# KiCad board SHEGO75-V3.kicad_pcb (continued)
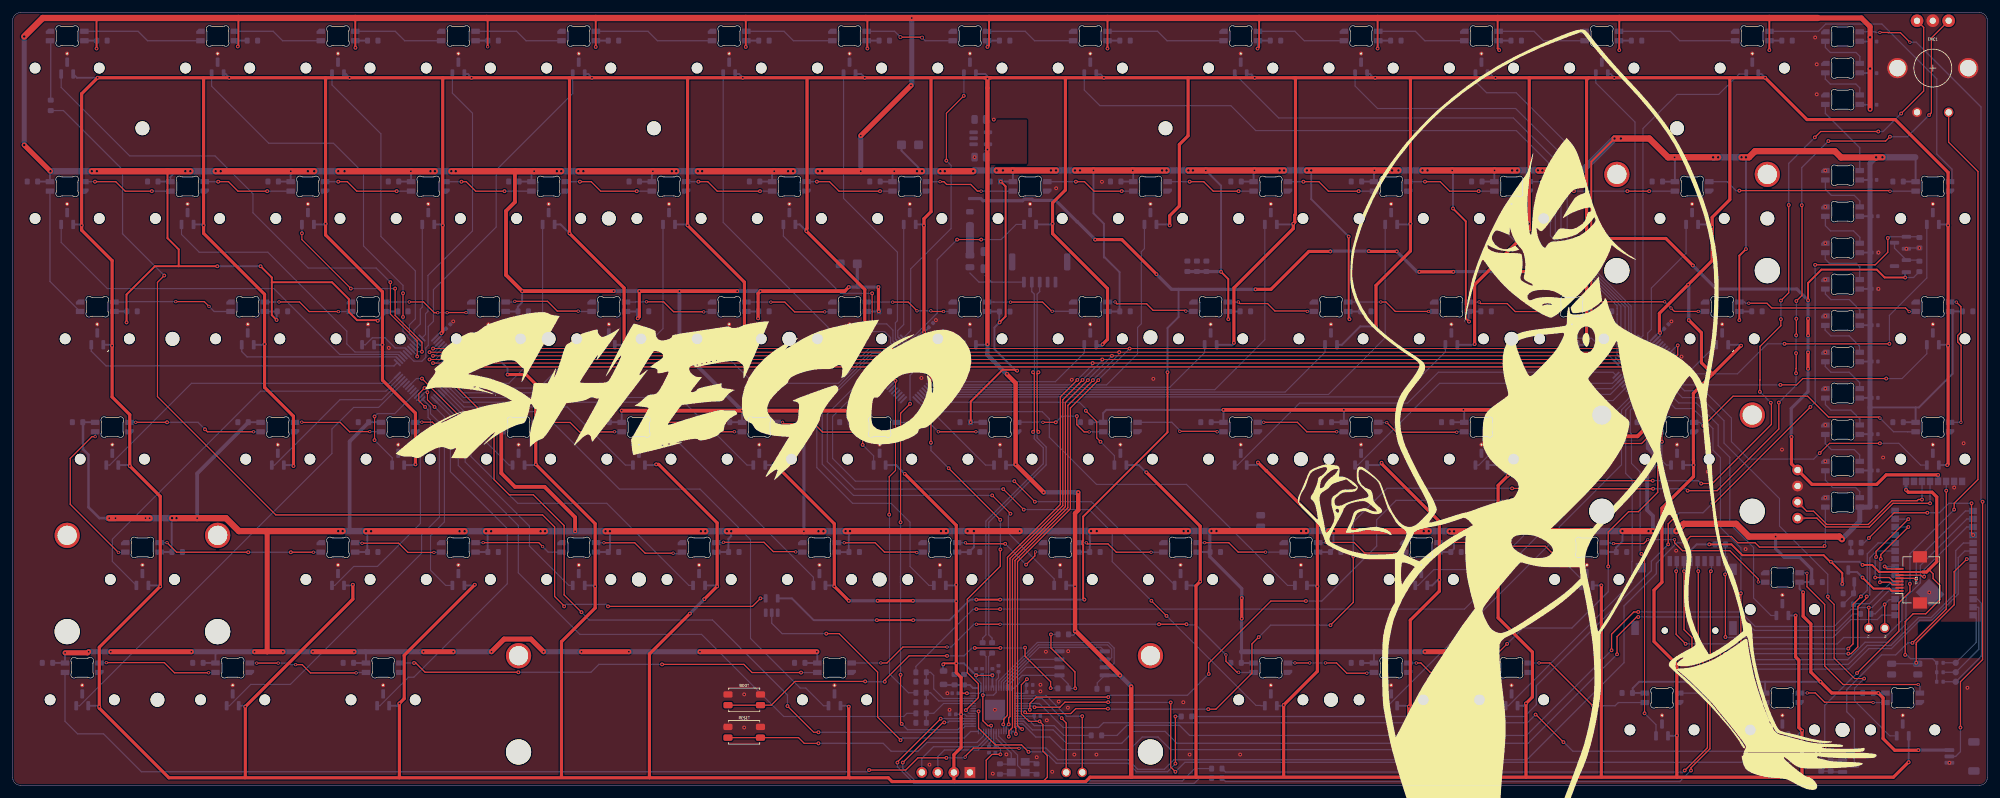
[diagram p0: board, top side]
## Library data of the parts (continued)
U4 = -: Datasheet: https://datasheets.raspberrypi.com/rp2040/rp2040-datasheet.pdf; Description: A microcontroller by Raspberry Pi; ki_fp_filters: QFN*1EP*7x7mm?P0.4mm*
U5 = -: ki_fp_filters: TinyPICO_Nano_Connector
UART1 UART2 = -: Description: Generic connector, single row, 01x02, script generated (kicad-library-utils/schlib/autogen/connector/); ki_fp_filters: Connector*:*_1x??_*
Y1 = -: Description: Four pin crystal, GND on pins 2 and 4; LCSC: C9002; ki_fp_filters: Crystal*

## Footprints (pads in the part's own frame, mm; a bottom-side part is the same pattern mirrored in y, then rotated)
C_0402
  rrect 0.56x0.62 smd: 1(-0.48,0) 2(0.48,0)
C_0603
  rrect 0.8x0.95 smd: 1(-0.825,0) 2(0.825,0)
C_0805
  rrect 1.025x1.4 smd: 1(-0.912,0) 2(0.912,0)
CP_EIA-3216-12_Kemet-S
  rrect 1.415x1.39 smd: 1(-1.353,0) 2(1.353,0)
Crystal_SMD_3225-4Pin_3.2x2.5mm
  rect 1.4x1.2 smd: 1(-1.1,-0.85) 2(1.1,-0.85) 3(1.1,0.85) 4(-1.1,0.85)
Ferrite_0805
  rrect 0.875x1.2 smd: 1(-1.062,0) 2(1.062,0)
Fuse_PPTC_0805
  rrect 0.975x1.4 smd: 1(-0.938,0) 2(0.938,0)
JST_GH_SM05B-GHS-TB_1x05-1MP_P1.25mm_Horizontal
  rrect 0.6x1.7 smd: 1(-2.5,1.85) 2(-1.25,1.85) 3(0,1.85) 4(1.25,1.85) 5(2.5,1.85)
  rrect 1x2.7 smd: MP(-4.35,-1.35) MP(4.35,-1.35)
JST_SH_SM03B-SRSS-TB_1x03-1MP_P1.00mm_Horizontal
  rrect 0.6x1.55 smd: 1(-1,2) 2(0,2) 3(1,2)
  rrect 1.2x1.8 smd: MP(-2.3,-1.875) MP(2.3,-1.875)
LED_0603_1608Metric
  rrect 0.875x0.95 smd: 1(-0.788,0) 2(0.788,0)
LED_6028R
  rrect 1.35x0.82 smd: 1(2.725,0.75) 2(2.725,-0.75) 3(-2.725,0.75) 4(-2.725,-0.75)
MountingHole_2.2mm_M2
  round 2.2 hole 2.2 unplated: (0,0)
MSD1A
  round 1 hole 1 unplated: (-4.95,-3.9) (3.05,-3.9)
  rect 0.7x1.6 smd: 1(2.25,7.1) 2(1.15,7.1) 3(0.05,7.1) 4(-1.05,7.1) 5(-2.15,7.1) 6(-3.25,7.1) 7(-4.35,7.1) 8(-5.45,7.1) CD1(-6.55,7.1)
  rect 1.6x1.5 smd: 9(6.85,6.05)
  rect 1.2x1.8 smd: 10(-7.75,5.8)
  rect 1.2x2.2 smd: 11(7.75,-3.5) 12(-7.75,-3.5)
QFN-56-1EP_7x7mm_P0.4mm_EP3.2x3.2mm
  rrect 1.29x1.29 smd: (-0.8,-0.8) (-0.8,0.8) (0.8,-0.8) (0.8,0.8)
  rrect 0.875x0.2 smd: 1(-3.438,2.6) 2(-3.438,2.2) 3(-3.438,1.8) 4(-3.438,1.4) 5(-3.438,1) 6(-3.438,0.6) 7(-3.438,0.2) 8(-3.438,-0.2) 9(-3.438,-0.6) 10(-3.438,-1) 11(-3.438,-1.4) 12(-3.438,-1.8) 13(-3.438,-2.2) 14(-3.438,-2.6) 29(3.438,-2.6) 30(3.438,-2.2) 31(3.438,-1.8) 32(3.438,-1.4) 33(3.438,-1) 34(3.438,-0.6) 35(3.438,-0.2) 36(3.438,0.2) 37(3.438,0.6) 38(3.438,1) 39(3.438,1.4) 40(3.438,1.8) 41(3.438,2.2) 42(3.438,2.6)
  rrect 0.2x0.875 smd: 15(-2.6,-3.438) 16(-2.2,-3.438) 17(-1.8,-3.438) 18(-1.4,-3.438) 19(-1,-3.438) 20(-0.6,-3.438) 21(-0.2,-3.438) 22(0.2,-3.438) 23(0.6,-3.438) 24(1,-3.438) 25(1.4,-3.438) 26(1.8,-3.438) 27(2.2,-3.438) 28(2.6,-3.438) 43(2.6,3.438) 44(2.2,3.438) 45(1.8,3.438) 46(1.4,3.438) 47(1,3.438) 48(0.6,3.438) 49(0.2,3.438) 50(-0.2,3.438) 51(-0.6,3.438) 52(-1,3.438) 53(-1.4,3.438) 54(-1.8,3.438) 55(-2.2,3.438) 56(-2.6,3.438)
  rect 3.2x3.2 smd: 57(0,0)
R_0402
  rrect 0.54x0.64 smd: 1(-0.51,0) 2(0.51,0)
R_0603
  rrect 0.8x0.95 smd: 1(-0.825,0) 2(0.825,0)
RotaryEncoder_Alps_EC11E_Vertical_H20mm_CircularMountingHoles
  round 2 hole 1: A(2.5,7.5) B(-2.5,7.5) C(0,7.5)
  round 3.2 hole 2.6: MP(-5.6,0) MP(5.6,0)
  round 1.5 hole 1: S1(2.5,-7) S2(-2.5,-7)
SOIC-8_5.3x5.3mm_P1.27mm
  rrect 1.625x0.65 smd: 1(-3.587,1.905) 2(-3.587,0.635) 3(-3.587,-0.635) 4(-3.587,-1.905) 5(3.587,-1.905) 6(3.587,-0.635) 7(3.587,0.635) 8(3.587,1.905)
SOT-23
  rrect 1.475x0.6 smd: 1(-0.938,0.95) 2(-0.938,-0.95) 3(0.938,0)
SOT-23-5
  rrect 1.325x0.6 smd: 1(-1.137,0.95) 2(-1.137,0) 3(-1.137,-0.95) 4(1.137,-0.95) 5(1.137,0.95)
STAB_MX_P_2u
  round 3.988 hole 3.988 unplated: (-11.906,-8.255) (11.906,-8.255)
  round 4 hole 3.048: (-11.906,6.985) (11.906,6.985)
STAB_MX_P_6.25u
  round 4 hole 3.048: (-50.006,6.985) (50.006,6.985)
  round 3.988 hole 3.988 unplated: (-50.006,-8.255) (50.006,-8.255)
SW_MX_HE_90deg_1.5u_Rules
  round 1.7 hole 1.7 unplated: (-5.08,0) (5.08,0)
  rrect 0.6x1.475 smd: 1(-0.95,-0.938) 2(0.95,-0.938) 3(0,0.938)
  round 0.6 hole 0.3: 3(0,2.3)
SW_MX_HE_90deg_1.25u_Rules
  round 1.7 hole 1.7 unplated: (-5.08,0) (5.08,0)
  rrect 0.6x1.475 smd: 1(-0.95,-0.938) 2(0.95,-0.938) 3(0,0.938)
  round 0.6 hole 0.3: 3(0,2.3)
SW_MX_HE_90deg_1.75u_Rules
  round 1.7 hole 1.7 unplated: (-5.08,0) (5.08,0)
  rrect 0.6x1.475 smd: 1(-0.95,-0.938) 2(0.95,-0.938) 3(0,0.938)
  round 0.6 hole 0.3: 3(0,2.3)
SW_MX_HE_90deg_1u_Rules
  round 1.7 hole 1.7 unplated: (-5.08,0) (5.08,0)
  rrect 0.6x1.475 smd: 1(-0.95,-0.938) 2(0.95,-0.938) 3(0,0.938)
  round 0.6 hole 0.3: 3(0,2.3)
SW_MX_HE_90deg_2.00u_Rules
  round 1.7 hole 1.7 unplated: (-5.08,0) (5.08,0)
  rrect 0.6x1.475 smd: 1(-0.95,-0.938) 2(0.95,-0.938) 3(0,0.938)
  round 0.6 hole 0.3: 3(0,2.3)
SW_MX_HE_90deg_2.25u_Rules
  round 1.7 hole 1.7 unplated: (-5.08,0) (5.08,0)
  rrect 0.6x1.475 smd: 1(-0.95,-0.938) 2(0.95,-0.938) 3(0,0.938)
  round 0.6 hole 0.3: 3(0,2.3)
SW_MX_HE_90deg_6.25u_Rules
  round 1.7 hole 1.7 unplated: (-5.08,0) (5.08,0)
  rrect 0.6x1.475 smd: 1(-0.95,-0.938) 2(0.95,-0.938) 3(0,0.938)
  round 0.6 hole 0.3: 3(0,2.3)
SW_SPST_EVQP2_MiddlePushTravel_H2.5mm
  rrect 1.45x1 smd: 1(-2.575,0.85) 1(2.575,0.85) 2(-2.575,-0.85) 2(2.575,-0.85)
SW_SPST_EVQP2_MiddlePushTravel_H2.5mm#2
  rrect 1.45x1 smd: 1(-2.075,0.85) 1(2.075,0.85) 2(-2.075,-0.85) 2(2.075,-0.85)
SWD_Debug_PinHeader_1x04_P2.54mm
  oval 1.7x1.7 hole 1: 1(0,0)
  round 1.7 hole 1: 2(0,-2.54) 3(0,-5.08) 4(0,-7.62)
SWD_Debug_PinHeader_1x04_P2.54mm#2
  rect 1.7x1.7 hole 1: 1(0,0)
  round 1.7 hole 1: 2(0,-2.54) 3(0,-5.08) 4(0,-7.62)
TestPoint_Pad_04
  round 1 smd: 1(0,0)
TFT_FPC_8P_0.5mm
  rect 0.3x1.3 smd: CS(1.75,1.85) DC(-0.25,1.85) GND(-1.25,1.85) LEDA(-1.75,1.85) RES(-0.75,1.85) SCL(0.75,1.85) SDA(0.25,1.85) VDD(1.25,1.85)
  rect 1.8x2.2 smd: MP(-3.65,-1.4) MP(3.65,-1.4)
TinyPICO_Nano
  rect 1.2x1 smd: 1(0.1,1.835) 2(0.1,3.105) 3(0.1,4.375) 4(0.1,5.645) 5(0.1,6.915) 6(0.1,8.185) 7(0.1,9.455) 8(0.1,10.725)
  custom 4.25x4.58 smd: 2(17.678,7.036)
  rect 1x1.2 smd: 9(4.764,12.44) 10(6.034,12.44) 11(7.304,12.44) 12(8.574,12.44) 13(9.844,12.44) 14(11.114,12.44) 15(12.384,12.44) 16(13.654,12.44) 17(14.924,12.44) 18(16.194,12.44) 19(17.464,12.44) 20(18.734,12.44) 21(20.004,12.44) 22(21.274,12.44) 23(4.775,0.1) 24(6.045,0.1) 25(7.315,0.1) 26(8.585,0.1) 27(9.855,0.1) 28(11.125,0.1) 29(12.395,0.1) 30(13.665,0.1) 31(14.935,0.1) 32(16.205,0.1) 33(17.475,0.1) 34(18.745,0.1) 35(20.015,0.1) 36(21.285,0.1)
TQFP-48_7x7mm_P0.5mm
  rrect 1.475x0.3 smd: 1(-4.162,2.75) 2(-4.162,2.25) 3(-4.162,1.75) 4(-4.162,1.25) 5(-4.162,0.75) 6(-4.162,0.25) 7(-4.162,-0.25) 8(-4.162,-0.75) 9(-4.162,-1.25) 10(-4.162,-1.75) 11(-4.162,-2.25) 12(-4.162,-2.75) 25(4.162,-2.75) 26(4.162,-2.25) 27(4.162,-1.75) 28(4.162,-1.25) 29(4.162,-0.75) 30(4.162,-0.25) 31(4.162,0.25) 32(4.162,0.75) 33(4.162,1.25) 34(4.162,1.75) 35(4.162,2.25) 36(4.162,2.75)
  rrect 0.3x1.475 smd: 13(-2.75,-4.162) 14(-2.25,-4.162) 15(-1.75,-4.162) 16(-1.25,-4.162) 17(-0.75,-4.162) 18(-0.25,-4.162) 19(0.25,-4.162) 20(0.75,-4.162) 21(1.25,-4.162) 22(1.75,-4.162) 23(2.25,-4.162) 24(2.75,-4.162) 37(2.75,4.162) 38(2.25,4.162) 39(1.75,4.162) 40(1.25,4.162) 41(0.75,4.162) 42(0.25,4.162) 43(-0.25,4.162) 44(-0.75,4.162) 45(-1.25,4.162) 46(-1.75,4.162) 47(-2.25,4.162) 48(-2.75,4.162)
UART_PinHeader_1x02_P2.54mm
  round 1.5 hole 1: 1(0,0) 2(0,-2.54)

## Nets
3V_RGB: U2.2 U4.28
5V_RGB_OUT: R24.1 U2.4
+1V1: C1.1 C2.1 C3.1 U4.23 U4.45 U4.50
+3V3: C4.1 C5.1 C6.1 C7.1 C8.1 C9.1 C10.1 C11.1 C13.1 C16.1 FB2.1 HE1.1 HE2.1 HE3.1 HE4.1 HE5.1 HE6.1 HE7.1 HE8.1 HE9.1 HE10.1 HE11.1 HE12.1 HE13.1 HE14.1 HE15.1 HE16.1 HE17.1 HE18.1 HE19.1 HE20.1 HE21.1 HE22.1 HE23.1 HE24.1 HE25.1 HE26.1 HE27.1 HE28.1 HE29.1 HE30.1 HE31.1 HE32.1 HE33.1 HE34.1 HE35.1 HE36.1 HE37.1 HE38.1 HE39.1 HE40.1 HE41.1 HE42.1 HE43.1 HE44.1 HE45.1 HE46.1 HE47.1 HE48.1 HE49.1 HE50.1 HE51.1 HE52.1 HE53.1 HE54.1 HE55.1 HE56.1 HE57.1 HE58.1 HE59.1 HE60.1 HE61.1 HE62.1 HE63.1 HE64.1 HE65.1 HE66.1 HE67.1 HE68.1 HE69.1 HE70.1 HE71.1 HE72.1 HE73.1 HE74.1 HE75.1 HE76.1 HE77.1 HE78.1 HE79.1 HE80.1 HE81.1 MC1.1 MC2.1 MC3.1 MUX1.13 MUX1.14 MUX2.13 MUX2.14 MUX3.13 MUX3.14 R4.2 SWD1.2 U1.5 U3.8 U4.1 U4.10 U4.22 U4.33 U4.42 U4.44 U4.48 U4.49
+3V3_ESP: Q3.2 R13.2 R17.2 R18.2 R19.2 SD1.4 TFT1.VDD U5.8
+3V3A: C14.1 C15.1 FB2.2 U4.43
+5V: C12.1 FB1.2 Q1.2 R5.2 SWD2.4 U1.1 U1.3 U2.5 U5.4
+5V_LED: AMB1.1 AMB2.1 AMB3.1 AMB4.1 AMB5.1 AMB6.1 AMB7.1 AMB8.1 AMB9.1 AMB10.1 C17.1 C18.1 C19.1 C20.1 C21.1 C22.1 CA1.1 CA2.1 CA3.1 CA4.1 CA5.1 CA6.1 CA7.1 CA8.1 CA9.1 CA10.1 CG1.1 CG2.1 CG3.1 CL1.1 CL2.1 CL3.1 CL4.1 CL5.1 CL6.1 CL7.1 CL8.1 CL9.1 CL10.1 CL11.1 CL12.1 CL13.1 CL14.1 CL15.1 CL16.1 CL17.1 CL18.1 CL19.1 CL20.1 CL21.1 CL22.1 CL23.1 CL24.1 CL25.1 CL26.1 CL27.1 CL28.1 CL29.1 CL30.1 CL31.1 CL32.1 CL33.1 CL34.1 CL35.1 CL36.1 CL37.1 CL38.1 CL39.1 CL40.1 CL41.1 CL42.1 CL43.1 CL44.1 CL45.1 CL46.1 CL47.1 CL48.1 CL49.1 CL50.1 CL51.1 CL52.1 CL53.1 CL54.1 CL55.1 CL56.1 CL57.1 CL58.1 CL59.1 CL60.1 CL61.1 CL62.1 CL63.1 CL64.1 CL65.1 CL66.1 CL67.1 CL68.1 CL69.1 CL70.1 CL71.1 CL72.1 CL73.1 CL74.1 CL75.1 CL76.1 CL77.1 CL78.1 CL79.1 CL80.1 CL81.1 GLO1.1 GLO2.1 GLO3.1 J1.1 LED1.1 LED2.1 LED3.1 LED4.1 LED5.1 LED6.1 LED7.1 LED8.1 LED9.1 LED10.1 LED11.1 LED12.1 LED13.1 LED14.1 LED15.1 LED16.1 LED17.1 LED18.1 LED19.1 LED20.1 LED21.1 LED22.1 LED23.1 LED24.1 LED25.1 LED26.1 LED27.1 LED28.1 LED29.1 LED30.1 LED31.1 LED32.1 LED33.1 LED34.1 LED35.1 LED36.1 LED37.1 LED38.1 LED39.1 LED40.1 LED41.1 LED42.1 LED43.1 LED44.1 LED45.1 LED46.1 LED47.1 LED48.1 LED49.1 LED50.1 LED51.1 LED52.1 LED53.1 LED54.1 LED55.1 LED56.1 LED57.1 LED58.1 LED59.1 LED60.1 LED61.1 LED62.1 LED63.1 LED64.1 LED65.1 LED66.1 LED67.1 LED68.1 LED69.1 LED70.1 LED71.1 LED72.1 LED73.1 LED74.1 LED75.1 LED76.1 LED77.1 LED78.1 LED79.1 LED80.1 LED81.1 Q1.3
GND: AMB1.4 AMB2.4 AMB3.4 AMB4.4 AMB5.4 AMB6.4 AMB7.4 AMB8.4 AMB9.4 AMB10.4 BOOT1.1 C1.2 C2.2 C3.2 C4.2 C5.2 C6.2 C7.2 C8.2 C9.2 C10.2 C11.2 C12.2 C13.2 C14.2 C15.2 C16.2 C17.2 C18.2 C19.2 C20.2 C21.2 C22.2 C23.1 C24.1 C25.2 C26.2 C27.2 CA1.2 CA2.2 CA3.2 CA4.2 CA5.2 CA6.2 CA7.2 CA8.2 CA9.2 CA10.2 CG1.2 CG2.2 CG3.2 CL1.2 CL2.2 CL3.2 CL4.2 CL5.2 CL6.2 CL7.2 CL8.2 CL9.2 CL10.2 CL11.2 CL12.2 CL13.2 CL14.2 CL15.2 CL16.2 CL17.2 CL18.2 CL19.2 CL20.2 CL21.2 CL22.2 CL23.2 CL24.2 CL25.2 CL26.2 CL27.2 CL28.2 CL29.2 CL30.2 CL31.2 CL32.2 CL33.2 CL34.2 CL35.2 CL36.2 CL37.2 CL38.2 CL39.2 CL40.2 CL41.2 CL42.2 CL43.2 CL44.2 CL45.2 CL46.2 CL47.2 CL48.2 CL49.2 CL50.2 CL51.2 CL52.2 CL53.2 CL54.2 CL55.2 CL56.2 CL57.2 CL58.2 CL59.2 CL60.2 CL61.2 CL62.2 CL63.2 CL64.2 CL65.2 CL66.2 CL67.2 CL68.2 CL69.2 CL70.2 CL71.2 CL72.2 CL73.2 CL74.2 CL75.2 CL76.2 CL77.2 CL78.2 CL79.2 CL80.2 CL81.2 D1.1 ENC1.C ENC1.MP ENC1.S2 ESP_BOOT1.2 GLO1.4 GLO2.4 GLO3.4 HE1.3 HE2.3 HE3.3 HE4.3 HE5.3 HE6.3 HE7.3 HE8.3 HE9.3 HE10.3 HE11.3 HE12.3 HE13.3 HE14.3 HE15.3 HE16.3 HE17.3 HE18.3 HE19.3 HE20.3 HE21.3 HE22.3 HE23.3 HE24.3 HE25.3 HE26.3 HE27.3 HE28.3 HE29.3 HE30.3 HE31.3 HE32.3 HE33.3 HE34.3 HE35.3 HE36.3 HE37.3 HE38.3 HE39.3 HE40.3 HE41.3 HE42.3 HE43.3 HE44.3 HE45.3 HE46.3 HE47.3 HE48.3 HE49.3 HE50.3 HE51.3 HE52.3 HE53.3 HE54.3 HE55.3 HE56.3 HE57.3 HE58.3 HE59.3 HE60.3 HE61.3 HE62.3 HE63.3 HE64.3 HE65.3 HE66.3 HE67.3 HE68.3 HE69.3 HE70.3 HE71.3 HE72.3 HE73.3 HE74.3 HE75.3 HE76.3 HE77.3 HE78.3 HE79.3 HE80.3 HE81.3 J1.3 J1.MP JST1.4 JST1.5 JST1.MP LED1.4 LED2.4 LED3.4 LED4.4 LED5.4 LED6.4 LED7.4 LED8.4 LED9.4 LED10.4 LED11.4 LED12.4 LED13.4 LED14.4 LED15.4 LED16.4 LED17.4 LED18.4 LED19.4 LED20.4 LED21.4 LED22.4 LED23.4 LED24.4 LED25.4 LED26.4 LED27.4 LED28.4 LED29.4 LED30.4 LED31.4 LED32.4 LED33.4 LED34.4 LED35.4 LED36.4 LED37.4 LED38.4 LED39.4 LED40.4 LED41.4 LED42.4 LED43.4 LED44.4 LED45.4 LED46.4 LED47.4 LED48.4 LED49.4 LED50.4 LED51.4 LED52.4 LED53.4 LED54.4 LED55.4 LED56.4 LED57.4 LED58.4 LED59.4 LED60.4 LED61.4 LED62.4 LED63.4 LED64.4 LED65.4 LED66.4 LED67.4 LED68.4 LED69.4 LED70.4 LED71.4 LED72.4 LED73.4 LED74.4 LED75.4 LED76.4 LED77.4 LED78.4 LED79.4 LED80.4 LED81.4 MC1.2 MC2.2 MC3.2 MUX1.22 MUX1.23 MUX1.24 MUX2.6 MUX2.22 MUX2.23 MUX2.24 MUX2.33 MUX2.37 MUX2.38 MUX2.39 MUX2.40 MUX2.45 MUX2.46 MUX3.2 MUX3.4 MUX3.6 MUX3.8 MUX3.22 MUX3.23 MUX3.24 MUX3.28 MUX3.30 MUX3.32 Q2.2 Q4.2 R7.1 R12.1 R15.1 RES1.1 SD1.6 SD1.9 SD1.10 SD1.11 SD1.12 SWD1.1 SWD2.3 TFT1.GND TFT1.MP U1.2 U2.1 U2.3 U3.4 U4.19 U4.57 U5.2 VC1.2 Y1.2 Y1.4
VBUS: F1.1 JST1.1 VC1.1
/BL_GATE: Q3.1 R10.2 R12.2
/CARD_DETECT: R13.1 SD1.CD1 U5.22
/ESP_D+: SWD2.2 U5.6
/ESP_D-: SWD2.1 U5.5
/ESP_EN: U5.7
/ESP_IO0: ESP_BOOT1.1 U5.29
/ESP_RES: Q4.3 U5.3
/FB1: F1.2 FB1.1
/GP0_TX: U4.2 UART1.1
/GP1_RX: U4.3 UART1.2
/GP3_ESP_RES: R14.2 U4.5
/GP8_TX: R20.2 U4.11
/GP9_RX: R21.2 U4.12
/GP20_SDA: R22.2 U4.31
/GP21_SCL: R23.2 U4.32
/GP23_LED_EN: R6.1 U4.35
/GPIO2: U4.4
/GPIO7: U4.9
/GPIO16: U4.27
/GPIO24: U4.36
/GPIO25: U4.37
/GPIO26: C25.1 R8.1 U4.38
/GPIO27: C26.1 R9.1 U4.39
/GPIO28: C27.1 R11.1 U4.40
/GPIO29: U4.41
/IO13_ESP_SDA: R22.1 U5.13
/IO14_ESP_SCL: R23.1 U5.14
/IO25_TFT_BL: R10.1 U5.18
/IO32_ESP_RX: R20.1 U5.19 UART2.1
/IO33_ESP_TX: R21.1 U5.20 UART2.2
/LED_GATE: Q2.1 R6.2 R7.2
/leds/LED_EXP: GLO3.2 J1.2
/leds/LED_IN: LED1.3 R24.2
/MCU_D+: R1.2 U4.47
/MCU_D-: R2.1 U4.46
/N_DRAIN_5V: Q1.1 Q2.3 R5.1
/QSPI_SCLK: U3.6 U4.52
/QSPI_SD0: U3.5 U4.53
/QSPI_SD1: U3.2 U4.55
/QSPI_SD2: U3.3 U4.54
/QSPI_SD3: U3.7 U4.51
/QSPI_SS: R3.1 R4.1 U3.1 U4.56
/RES_GATE: Q4.1 R14.1 R15.2
/RUN: RES1.2 U4.26
/RXD0_IO3: U5.31
/SD_CLK: SD1.5 U5.28
/SD_CS: SD1.2 U5.17
/SD_MISO: SD1.7 U5.24
/SD_MOSI: SD1.3 U5.27
/sensors/HE1_Esc: HE1.2 MUX1.7
/sensors/HE2_F1: HE2.2 MUX1.9
/sensors/HE3_F2: HE3.2 MUX1.10
/sensors/HE4_F3: HE4.2 MUX1.12
/sensors/HE5_F4: HE5.2 MUX1.5
/sensors/HE6_F5: HE6.2 MUX2.5
/sensors/HE7_F6: HE7.2 MUX2.10
/sensors/HE8_F7: HE8.2 MUX2.12
/sensors/HE9_F8: HE9.2 MUX3.5
/sensors/HE10_F9: HE10.2 MUX3.7
/sensors/HE11_F10: HE11.2 MUX3.9
/sensors/HE12_F11: HE12.2 MUX3.10
/sensors/HE13_F12: HE13.2 MUX3.11
/sensors/HE14_Del: HE14.2 MUX3.12
/sensors/HE15_Grave: HE15.2 MUX1.3
/sensors/HE16_1: HE16.2 MUX1.4
/sensors/HE17_2: HE17.2 MUX1.8
/sensors/HE18_3: HE18.2 MUX1.11
/sensors/HE19_4: HE19.2 MUX1.26
/sensors/HE20_5: HE20.2 MUX1.28
/sensors/HE21_6: HE21.2 MUX2.9
/sensors/HE22_7: HE22.2 MUX2.11
/sensors/HE23_8: HE23.2 MUX2.7
/sensors/HE24_9: HE24.2 MUX2.27
/sensors/HE25_0: HE25.2 MUX2.29
/sensors/HE26_Minus: HE26.2 MUX2.31
/sensors/HE27_Equals: HE27.2 MUX3.3
/sensors/HE28_Backspace: HE28.2 MUX3.36
/sensors/HE29_Home: HE29.2 MUX3.25
/sensors/HE30_Tab: HE30.2 MUX1.1
/sensors/HE31_Q: HE31.2 MUX1.2
/sensors/HE32_W: HE32.2 MUX1.6
/sensors/HE33_E: HE33.2 MUX1.25
/sensors/HE34_R: HE34.2 MUX1.27
/sensors/HE35_T: HE35.2 MUX2.4
/sensors/HE36_Y: HE36.2 MUX2.8
/sensors/HE37_U: HE37.2 MUX2.25
/sensors/HE38_I: HE38.2 MUX2.26
/sensors/HE39_O: HE39.2 MUX2.28
/sensors/HE40_P: HE40.2 MUX2.30
/sensors/HE41_LeftBracket: HE41.2 MUX2.32
/sensors/HE42_RightBracket: HE42.2 MUX3.1
/sensors/HE43_Backslash: HE43.2 MUX3.34
/sensors/HE44_PgUp: HE44.2 MUX3.26
/sensors/HE45_CapsLock: HE45.2 MUX1.48
/sensors/HE46_A: HE46.2 MUX1.46
/sensors/HE47_S: HE47.2 MUX1.40
/sensors/HE48_D: HE48.2 MUX1.33
/sensors/HE49_F: HE49.2 MUX1.31
/sensors/HE50_G: HE50.2 MUX1.29
/sensors/HE51_H: HE51.2 MUX2.47
/sensors/HE52_J: HE52.2 MUX2.36
/sensors/HE53_K: HE53.2 MUX2.34
/sensors/HE54_L: HE54.2 MUX3.48
/sensors/HE55_Semicolon: HE55.2 MUX3.47
/sensors/HE56_Quote: HE56.2 MUX3.46
/sensors/HE57_Enter: HE57.2 MUX3.35
/sensors/HE58_PgDn: HE58.2 MUX3.27
/sensors/HE59_ShiftL: HE59.2 MUX1.47
/sensors/HE60_Z: HE60.2 MUX1.39
/sensors/HE61_X: HE61.2 MUX1.38
/sensors/HE62_C: HE62.2 MUX1.35
/sensors/HE63_V: HE63.2 MUX1.34
/sensors/HE64_B: HE64.2 MUX1.30
/sensors/HE65_N: HE65.2 MUX2.3
/sensors/HE66_M: HE66.2 MUX2.2
/sensors/HE67_Comma: HE67.2 MUX2.48
/sensors/HE68_Period: HE68.2 MUX2.35
/sensors/HE69_Slash: HE69.2 MUX3.45
/sensors/HE70_ShiftR: HE70.2 MUX3.39
/sensors/HE71_ArrowUp: HE71.2 MUX3.31
/sensors/HE72_CtrlL: HE72.2 MUX1.45
/sensors/HE73_Win: HE73.2 MUX1.37
/sensors/HE74_AltL: HE74.2 MUX1.36
/sensors/HE75_Space: HE75.2 MUX1.32
/sensors/HE76_AltR: HE76.2 MUX2.1
/sensors/HE77_Fn: HE77.2 MUX3.40
/sensors/HE78_CtrlR: HE78.2 MUX3.38
/sensors/HE79_ArrowLeft: HE79.2 MUX3.37
/sensors/HE80_ArrowDown: HE80.2 MUX3.33
/sensors/HE81_ArrowRight: HE81.2 MUX3.29
/SWCLK: SWD1.3 U4.24
/SWDIO: SWD1.4 U4.25
/TFT_BL: Q3.3 TFT1.LEDA
/TFT_CS: TFT1.CS U5.16
/TFT_DC: TFT1.DC U5.10
/TFT_MOSI: TFT1.SDA U5.23
/TFT_RES: TFT1.RES U5.11
/TFT_SCK: TFT1.SCL U5.25
/TXD0_IO1: U5.32
/USB_BOOT: BOOT1.2 R3.2
/XIN: C23.2 U4.20 Y1.3
/XOUT: C24.2 U4.21 Y1.1
AMB_IN: AMB1.3 LED72.2
D+: JST1.3 R1.1
D-: JST1.2 R2.2
ENC_A: ENC1.A U4.7
ENC_B: ENC1.B U4.8
ENC_SW: ENC1.S1 U4.6
MUX1: MUX1.43 R8.2
MUX2: MUX2.43 R9.2
MUX3: MUX3.43 R11.2
MUX_A0: MUX1.15 MUX2.15 MUX3.15 U4.14
MUX_A1: MUX1.16 MUX2.16 MUX3.16 U4.15
MUX_A2: MUX1.17 MUX2.17 MUX3.17 U4.16
MUX_A3: MUX1.18 MUX2.18 MUX3.18 U4.17
MUX_A4: MUX1.19 MUX2.19 MUX3.19 U4.18
MUX_CS1: MUX1.20 U4.29
MUX_CS2: MUX2.20 U4.30
MUX_CS3: MUX3.20 U4.13
MUX_WR: MUX1.21 MUX2.21 MUX3.21 U4.34
STATUS: AMB10.2 GLO1.3
Net-(AMB1-DOUT): AMB1.2 AMB2.3
Net-(AMB2-DOUT): AMB2.2 AMB3.3
Net-(AMB3-DOUT): AMB3.2 AMB4.3
Net-(AMB4-DOUT): AMB4.2 AMB5.3
Net-(AMB5-DOUT): AMB5.2 AMB6.3
Net-(AMB6-DOUT): AMB6.2 AMB7.3
Net-(AMB7-DOUT): AMB7.2 AMB8.3
Net-(AMB8-DOUT): AMB8.2 AMB9.3
Net-(AMB10-DIN): AMB9.2 AMB10.3
Net-(D1-A): D1.2 R16.2
Net-(GLO1-DOUT): GLO1.2 GLO2.3
Net-(GLO2-DOUT): GLO2.2 GLO3.3
Net-(LED1-DOUT): LED1.2 LED2.3
Net-(LED2-DOUT): LED2.2 LED3.3
Net-(LED3-DOUT): LED3.2 LED4.3
Net-(LED4-DOUT): LED4.2 LED5.3
Net-(LED5-DOUT): LED5.2 LED6.3
Net-(LED6-DOUT): LED6.2 LED7.3
Net-(LED7-DOUT): LED7.2 LED8.3
Net-(LED8-DOUT): LED8.2 LED9.3
Net-(LED10-DIN): LED9.2 LED10.3
Net-(LED10-DOUT): LED10.2 LED11.3
Net-(LED11-DOUT): LED11.2 LED12.3
Net-(LED12-DOUT): LED12.2 LED13.3
Net-(LED13-DOUT): LED13.2 LED14.3
Net-(LED14-DOUT): LED14.2 LED29.3
Net-(LED15-DIN): LED15.3 LED16.2
Net-(LED15-DOUT): LED15.2 LED30.3
Net-(LED16-DIN): LED16.3 LED17.2
Net-(LED17-DIN): LED17.3 LED18.2
Net-(LED18-DIN): LED18.3 LED19.2
Net-(LED19-DIN): LED19.3 LED20.2
Net-(LED20-DIN): LED20.3 LED21.2
Net-(LED21-DIN): LED21.3 LED22.2
Net-(LED22-DIN): LED22.3 LED23.2
Net-(LED23-DIN): LED23.3 LED24.2
Net-(LED24-DIN): LED24.3 LED25.2
Net-(LED25-DIN): LED25.3 LED26.2
Net-(LED26-DIN): LED26.3 LED27.2
Net-(LED27-DIN): LED27.3 LED28.2
Net-(LED28-DIN): LED28.3 LED29.2
Net-(LED30-DOUT): LED30.2 LED31.3
Net-(LED31-DOUT): LED31.2 LED32.3
Net-(LED32-DOUT): LED32.2 LED33.3
Net-(LED33-DOUT): LED33.2 LED34.3
Net-(LED34-DOUT): LED34.2 LED35.3
Net-(LED35-DOUT): LED35.2 LED36.3
Net-(LED36-DOUT): LED36.2 LED37.3
Net-(LED37-DOUT): LED37.2 LED38.3
Net-(LED38-DOUT): LED38.2 LED39.3
Net-(LED39-DOUT): LED39.2 LED40.3
Net-(LED40-DOUT): LED40.2 LED41.3
Net-(LED41-DOUT): LED41.2 LED42.3
Net-(LED42-DOUT): LED42.2 LED43.3
Net-(LED43-DOUT): LED43.2 LED44.3
Net-(LED44-DOUT): LED44.2 LED58.3
Net-(LED45-DIN): LED45.3 LED46.2
Net-(LED45-DOUT): LED45.2 LED59.3
Net-(LED46-DIN): LED46.3 LED47.2
Net-(LED47-DIN): LED47.3 LED48.2
Net-(LED48-DIN): LED48.3 LED49.2
Net-(LED49-DIN): LED49.3 LED50.2
Net-(LED50-DIN): LED50.3 LED51.2
Net-(LED51-DIN): LED51.3 LED52.2
Net-(LED52-DIN): LED52.3 LED53.2
Net-(LED53-DIN): LED53.3 LED54.2
Net-(LED54-DIN): LED54.3 LED55.2
Net-(LED55-DIN): LED55.3 LED56.2
Net-(LED56-DIN): LED56.3 LED57.2
Net-(LED57-DIN): LED57.3 LED58.2
Net-(LED59-DOUT): LED59.2 LED60.3
Net-(LED60-DOUT): LED60.2 LED61.3
Net-(LED61-DOUT): LED61.2 LED62.3
Net-(LED62-DOUT): LED62.2 LED63.3
Net-(LED63-DOUT): LED63.2 LED64.3
Net-(LED64-DOUT): LED64.2 LED65.3
Net-(LED65-DOUT): LED65.2 LED66.3
Net-(LED66-DOUT): LED66.2 LED67.3
Net-(LED67-DOUT): LED67.2 LED68.3
Net-(LED68-DOUT): LED68.2 LED69.3
Net-(LED69-DOUT): LED69.2 LED70.3
Net-(LED70-DOUT): LED70.2 LED71.3
Net-(LED71-DOUT): LED71.2 LED81.3
Net-(LED72-DIN): LED72.3 LED73.2
Net-(LED73-DIN): LED73.3 LED74.2
Net-(LED74-DIN): LED74.3 LED75.2
Net-(LED75-DIN): LED75.3 LED76.2
Net-(LED76-DIN): LED76.3 LED77.2
Net-(LED77-DIN): LED77.3 LED78.2
Net-(LED78-DIN): LED78.3 LED79.2
Net-(LED79-DIN): LED79.3 LED80.2
Net-(LED80-DIN): LED80.3 LED81.2
Net-(U5-IO5): R16.1 U5.26
Net-(U5-IO36): R17.1 TP1.1 U5.36
Net-(U5-IO37): R18.1 TP2.1 U5.35
Net-(U5-IO38): R19.1 TP3.1 U5.34

Pads without a net: MUX1 41 42 44; MUX2 41 42 44; MUX3 41 42 44; SD1 1 8; U1 4; U5 1 9 12 15 21 30 33

## Via types
v1: diameter 0.6, hole 0.3, Top to Bottom, 586 vias
v2: diameter 0.6, hole 0.4, Top to Bottom, 122 vias
v3: diameter 0.5, hole 0.3, Top to Bottom, 125 vias
v4: diameter 0.7, hole 0.3, Top to Bottom, 1 via

## Routing (per net, layer and track width the routed paths; a pad name or vN(x,y) marks a point on that pad's centre or on a via; arc(x,y) is an arc through that point)
3V_RGB: length 46.2
  Top w0.2: v1(140.53,7.16) 140.53,7.18 136.9,10.81 136.9,17.92 130.81,24.02 v1(128.77,24.02)
  Bottom w0.2: v1(140.53,7.16) 140.87,7.5 150.6,7.5 151.63,8.53 U4.28 ; 120.14,26.69 120.14,25.67 121.79,24.02 v1(128.77,24.02)
5V_RGB_OUT: length 171.6
  Top w0.2: v1(87.28,28.34) 87.28,28.41 85.78,29.91 85.78,40.91 83.87,42.82 41.65,42.82 22.92,61.55 22.92,79.63 v1(24,80.72) ; v1(118.36,29.61) 117.09,28.34 v1(94.23,28.34)
  Bottom w0.2: v1(24,80.72) 17.39,87.33 17.39,97.48 8.04,106.83 R24.1 ; v1(87.28,28.34) 87.6,28.66 93.91,28.66 v1(94.23,28.34) ; v1(118.36,29.61) 118.37,29.6 U2.4
+1V1: length 17.7
  Top w0.2: v1(154.86,9.46) 154.33,9.46 153.56,10.23 v1(153.56,14.29)
  Bottom w0.18: U4.45 153.66,17.19 153.44,17.42 ; 154.86,9.45 v1(154.86,9.46) ; 155.67,15.41 155.67,16.67 156.03,17.04 156.03,17.9
  Bottom w0.2: U4.50 155.66,14.72 155.24,14.29 v1(153.56,14.29) 153.66,14.39 U4.45 ; 154.86,9.45 U4.23 154.86,6.94 154.53,6.6 154.53,6.43
+3V3: length 2440.5
  Top w0.18: v1(155.07,17.42) v1(152.48,17.42) ; v1(151.03,14.58) 150.19,14.58 150.11,14.66 ; v1(150.11,11.26) 150.18,11.18 150.18,11.11 ; v1(160.53,16.82) 159.65,15.93 159.65,11.32 160.83,10.14 v1(162.53,10.14)
  Top w0.2: 154.08,0.6 154.08,3.98 155.01,4.91 v1(156.34,4.91) ; v1(162.53,10.14) 163.06,9.6 163.06,5.41 163.76,4.71 163.76,1.29 163.06,0.6
  Top w0.3: v1(147.28,19.16) 147.45,19.32 v1(149.35,19.32)
  Top w0.5: v1(136.9,29.23) v1(142.49,29.23) ; v1(96.77,69.86) 96.77,78.76 v1(88.13,87.39) 88.13,112.03 ; 68.07,112.03 v1(53.34,112.03) 49.53,112.03 ; 68.07,112.03 v1(72.64,112.03) v1(91.69,112.03) v1(115.57,112.03) v1(134.87,112.03) 153.78,112.03 ; 68.07,112.03 v1(68.07,88.66) 68.07,71.79 v1(67.86,71.58) ; v1(115.82,70.12) 115.82,79.66 v1(106.82,88.66) 106.82,111.92 106.93,112.03 ; 168.29,24.4 v1(168.14,24.4) v1(168.14,31.51) ; v1(231.39,69.87) 231.39,79.27 240.03,87.9 v1(240.03,88.92) 240.03,112.03 ; 271.78,112.03 271.78,92.73 268.98,89.93 v1(268.98,88.41) 268.98,83.08 v1(265.17,79.27) 260.63,74.73 260.63,71.73 v1(260.73,71.63) ; v1(216.66,51.07) 216.66,50.93 225.8,41.79 v1(225.8,32.53) 225.8,30.75 221.21,26.16 221.21,12.69 v1(220.98,12.46) 220.98,1.3 ; 202.69,112.03 203.03,112.03 203.03,90.4 202.91,90.28 202.91,89.2 202.94,89.17 v1(202.69,88.92) 202.69,88.16 193.29,78.76 v1(193.29,70.06) ; v1(144.26,71.76) 144.23,71.78 v1(144.23,88.63) 144.23,89.71 145.36,90.83 145.36,112.03 ; v1(63.75,50.82) 63.75,58.94 58.53,64.16 58.53,68.97 58.53,68.97 v1(58.53,69.76) 58.53,69.76 58.53,78.13 49.53,87.14 v1(49.53,88.92) 49.53,112.03 ; v1(134.87,70.63) 134.87,78.5 v1(125.63,87.75) 125.63,88.05 125.73,88.16 125.73,111.77 ; 132.48,1.21 132.33,1.36 v1(132.33,12.46) ; 269.06,65.12 266.01,62.07 266.01,51.51 266.03,51.48 v1(266.03,50.71) 266.03,48.88 261.03,43.88 261.03,32.16 259.78,30.91 259.78,22.77 263.39,19.16 v1(263.39,7.89) 263.39,1.33 263.43,1.29 ; 269.06,65.12 v1(273.55,69.61) ; 269.06,65.12 267.28,66.91 267.28,71.66 v1(265.28,73.66) ; 177.1,1.29 170.52,1.29 169.83,0.6 149.03,0.6 ; 177.1,1.29 297.67,1.29 300.03,3.66 v1(300.08,3.66) ; 177.1,1.29 177.03,1.36 ; v1(197.1,51.11) 198.41,49.8 198.44,49.8 206.5,41.74 v1(206.5,31.51) 206.5,18.05 v1(201.16,12.72) 201.16,1.49 ; 240.03,112.03 249.42,112.03 ; 240.03,112.03 v1(234.69,112.03) v1(215.64,112.03) v1(196.59,112.03) 186.04,112.03 ; 249.42,112.03 v1(253.49,112.03) v1(277.36,112.03) 283.99,105.41 297.96,105.41 306.32,97.05 v1(306.32,88.66) v1(306.32,69.61) 306.32,50.85 v1(306.18,50.71) ; 249.42,112.03 249.11,111.71 249.11,70.6 249.11,70.59 v1(249.11,69.79) ; v1(251.44,31.66) 251.44,1.29 ; 36.83,1.21 v1(36.83,12.46) 53.84,29.48 v1(53.84,31.77) ; 30.22,112.03 v1(30.22,88.66) 30.22,87.39 39.87,77.74 v1(39.87,69.87) 39.87,63.01 44.45,58.44 v1(44.45,50.56) ; 153.78,112.03 154.14,112.03 v1(154.28,111.89) 154.43,112.03 154.78,112.03 ; 153.78,112.03 154.78,112.03 ; v1(282.19,26.89) 282.19,20.34 282.7,19.83 282.7,9.16 v1(283.21,8.65) 283.21,1.37 283.28,1.29 ; 166.62,112.03 166.62,94.25 164.59,92.22 v1(164.59,88.92) 164.59,87.35 173.28,78.65 173.28,70.61 v1(172.5,69.83) ; 49.53,112.03 v1(34.29,112.03) v1(13.46,112.03) 10.92,109.49 v1(10.92,88.66) 10.92,87.9 15.74,83.08 v1(15.74,69.61) 15.74,61.49 18.54,58.69 v1(18.54,50.56) 23.36,45.74 v1(23.36,31.51) 13.71,21.86 v1(13.71,12.46) 13.71,12.23 24.73,1.21 138.58,1.21 139.19,0.6 149.03,0.6 ; 186.04,112.03 186.04,102.84 184.65,101.46 184.65,91.71 183.13,90.19 v1(183.13,88.66) ; 186.04,112.03 v1(172.72,112.03) 154.78,112.03 ; 149.03,0.6 148.97,0.66 SWD1.2 148.97,4.85 150.11,5.99 150.11,17.08 149.35,17.84 v1(149.35,19.32) v1(149.35,31.77) 149.35,41.17 v1(141.2,49.32) ; v1(132.33,29.23) v1(130.04,31.51) 130.04,41.42 v1(120.65,50.82) ; v1(107.18,27.2) 100.78,20.79 100.78,1.21 ; v1(101.85,50.82) 102.25,50.82 111.5,41.56 v1(111.5,31.51) v1(109.47,29.48) ; v1(179.43,49.56) 187.96,41.03 v1(187.96,32.28) 187.28,31.6 187.28,1.27 ; v1(157.38,65.15) 157.38,65.06 ; v1(73.15,31.77) 61.97,20.59 61.97,13.73 v1(61.21,12.97) 61.21,1.21 ; 86.88,1.26 86.86,1.27 86.86,22.75 92.2,28.08 v1(92.2,31.51) 92.2,41.42 v1(82.8,50.82) 82.8,63.5 81.26,65.04 v1(78.33,65.04) ; v1(236.66,49.03) 235.11,47.48 235.11,26.53 240.53,21.1 240.53,13.99 v1(239.52,12.97) 239.52,1.32 239.53,1.31 ; v1(215.78,72.66) 215.78,79.15 221.23,84.6 v1(221.23,88.92) 221.23,112.03
  Top w0.7: v1(175.26,17.43) 168.29,24.4 ; v1(163.17,46.39) v1(158.75,50.82) 158.75,63.69 157.38,65.06 ; v1(154.28,69.86) v1(154.28,111.89) ; v1(168.14,24.4) 168.14,43.07 168.65,43.58 v1(168.65,46.39) ; v1(177.03,15.66) 177.03,1.36
  Bottom w0.18: C8.1 v1(151.03,14.58) 152.01,14.58 U4.42 ; U4.44 153.26,16.17 152.48,16.96 v1(152.48,17.42) ; v1(160.53,16.82) 160.4,16.68 160.4,15.91 ; 149.36,11.26 v1(150.11,11.26) 150.68,11.26 150.97,10.96 U4.33 ; 171.66,15.57 171.66,16.22 U3.8
  Bottom w0.2: v1(162.53,10.14) 162.05,10.14 161.7,10.49 C5.1 ; 260.02,70.47 260.73,71.18 v1(260.73,71.63) ; U4.10 161.66,10.96 ; 259.67,70.82 260.47,71.63 ; 67.14,70.47 67.86,71.19 v1(67.86,71.58) 67.54,71.58 66.79,70.82 ; 142.99,70.82 143.92,71.76 v1(144.26,71.76) 144.26,71.39 143.34,70.47 ; 160.4,15.66 160.4,14.78 160.18,14.56 U4.1 ; 167.2,23.77 167.88,23.77 168.14,24.04 v1(168.14,24.4) ; U4.42 152.97,14.56 153.26,14.85 U4.44 ; U4.22 155.26,6.92 155.53,6.66 C6.1 155.97,6.14 156.34,5.78 v1(156.34,4.91)
  Bottom w0.3: v1(172.72,112.03) 172.21,112.54 171.59,112.54 ; HE8.1 153.92,112.62 154.43,112.11 154.43,112.03 v1(154.28,111.89) ; v1(61.21,12.97) 60.84,12.61 HE74.1 ; HE17.1 49.41,88.81 v1(49.53,88.92) ; v1(225.8,32.53) 225.55,32.53 224.67,31.66 HE69.1 ; 68.53,72.25 v1(67.86,71.58) ; HE68.1 206.36,31.66 v1(206.5,31.51) ; v1(152.48,17.42) 150.57,19.32 v1(149.35,19.32) ; HE24.1 182.99,88.81 v1(183.13,88.66) ; HE64.1 129.9,31.66 v1(130.04,31.51) ; HE67.1 187.34,31.66 v1(187.96,32.28) ; HE45.1 18.4,50.71 v1(18.54,50.56) ; HE36.1 134.12,69.76 134.87,70.5 v1(134.87,70.63) ; HE44.1 306.18,69.76 v1(306.32,69.61) ; v1(220.98,12.46) 220.83,12.61 HE77.1 ; v1(120.65,50.82) 120.53,50.71 HE50.1 ; v1(277.36,112.03) 276.78,112.62 HE14.1 ; v1(202.69,88.92) 202.58,88.81 HE25.1 ; HE79.1 263.35,7.84 v1(263.39,7.89) ; HE39.1 193.15,69.76 193.29,69.9 v1(193.29,70.06) ; HE2.1 33.7,112.62 v1(34.29,112.03) ; v1(249.11,69.79) 249.07,69.76 HE42.1 ; HE18.1 67.93,88.81 v1(68.07,88.66) ; v1(10.92,88.66) 10.78,88.81 HE15.1 ; HE78.1 239.15,12.61 v1(239.52,12.97) ; HE65.1 149.24,31.66 v1(149.35,31.77) ; HE31.1 39.76,69.76 v1(39.87,69.87) ; HE35.1 115.45,69.76 v1(115.82,70.12) ; HE41.1 231.28,69.76 v1(231.39,69.87) ; HE63.1 111.36,31.66 v1(111.5,31.51) ; v1(236.66,49.03) 235.37,50.32 235.37,50.4 235.06,50.71 HE56.1 ; v1(215.64,112.03) 215.39,112.03 214.8,112.62 HE11.1 ; HE4.1 72.05,112.62 v1(72.64,112.03) ; v1(306.32,88.66) 306.18,88.81 HE29.1 ; v1(96.77,69.86) 96.73,69.86 96.63,69.76 HE34.1 ; v1(215.78,72.66) 213.28,72.66 210.38,69.76 HE40.1 ; HE28.1 268.59,88.81 v1(268.98,88.41) ; HE16.1 30.08,88.81 v1(30.22,88.66) ; v1(13.46,112.03) 10.17,112.03 HE1.1 ; v1(36.83,12.46) 36.68,12.61 HE73.1 ; v1(179.43,49.56) 179.38,49.56 178.23,50.71 HE53.1 ; HE66.1 168,31.66 v1(168.14,31.51) ; v1(154.28,69.86) 154.13,69.86 154.03,69.76 HE37.1 ; HE23.1 164.48,88.81 v1(164.59,88.92) ; HE52.1 158.63,50.71 v1(158.75,50.82) ; HE48.1 82.69,50.71 v1(82.8,50.82) ; HE49.1 101.74,50.71 v1(101.85,50.82) ; v1(63.75,50.82) 63.64,50.71 HE47.1 ; HE20.1 106.68,88.81 v1(106.82,88.66) ; v1(201.16,12.72) 201.05,12.61 HE76.1 ; v1(240.03,88.92) 239.91,88.81 HE27.1 ; v1(197.1,51.11) 197.1,50.9 196.93,50.73 195.97,50.73 195.94,50.71 HE54.1 ; v1(88.13,87.39) 86.72,88.81 HE19.1 ; v1(300.08,3.66) 300.08,7.83 ; v1(216.66,51.07) 216.29,50.71 HE55.1 ; v1(196.59,112.03) 196.08,112.54 195.32,112.54 ; HE61.1 73.04,31.66 v1(73.15,31.77) ; v1(273.55,69.61) 273.41,69.76 HE43.1 ; HE26.1 221.12,88.81 v1(221.23,88.92) ; HE75.1 132.19,12.61 v1(132.33,12.46) ; HE22.1 144.05,88.81 v1(144.23,88.63) ; 261.33,72.23 v1(260.73,71.63) ; HE21.1 124.57,88.81 v1(125.63,87.75) ; v1(283.21,8.65) 282.4,7.84 HE80.1 ; v1(147.28,19.16) 147.28,18.24 ; v1(13.71,12.46) 13.57,12.61 HE72.1 ; v1(141.2,49.32) 139.81,50.71 HE51.1 ; v1(23.36,31.51) 23.22,31.66 HE59.1 ; HE3.1 52.75,112.62 v1(53.34,112.03) ; v1(234.69,112.03) 234.44,112.03 233.85,112.62 HE12.1 ; v1(282.19,26.89) HE71.1 ; 144.93,72.43 v1(144.26,71.76) ; HE62.1 92.06,31.66 v1(92.2,31.51) ; HE6.1 114.98,112.62 v1(115.57,112.03) ; v1(253.49,112.03) 252.9,112.62 HE13.1 ; v1(91.69,112.03) 91.1,112.62 HE5.1 ; HE30.1 15.6,69.76 v1(15.74,69.61) ; v1(58.53,69.76) HE32.1 ; v1(78.33,65.04) 78.33,66.06 76.26,68.13 76.26,69.76 ; HE46.1 44.3,50.71 v1(44.45,50.56) ; HE7.1 134.28,112.62 v1(134.87,112.03) ; v1(266.03,50.71) HE57.1 ; v1(155.07,17.42) 155.07,15.6 ; v1(53.84,31.77) 53.73,31.66 HE60.1 ; v1(251.44,31.66) HE70.1 ; v1(306.18,50.71) HE58.1
  Bottom w0.5: 167.49,46.4 167.48,46.39 ; v1(265.28,73.66) 265.28,79.16 v1(265.17,79.27) ; 154.11,99.46 154.11,100.54 154.23,100.66 v4(154.28,100.66) 154.43,100.8 154.43,101.44 U1.5 ; v1(175.26,17.43) 172.86,17.43 ; v1(149.35,29.16) 149.28,29.23 v1(142.49,29.23) ; v1(157.38,65.15) 157.28,65.15 ; v1(109.47,29.48) v1(107.18,27.2) ; v1(172.5,69.83) 172.29,69.61 171.65,69.61 HE38.1 ; v1(132.33,29.23) v1(136.9,29.23)
  Bottom w0.7: 157.28,65.15 154.28,68.16 v1(154.28,69.86) ; v1(168.65,46.39) 168.13,46.39 168.12,46.4 167.49,46.4 ; 167.48,46.39 v1(163.17,46.39) ; v1(175.26,17.43) v1(177.03,15.66)
